# EAGLE board Mk4 Final a Panel score 2x5 (EAGLE 9.0.1), part 15 of 29 (continued)
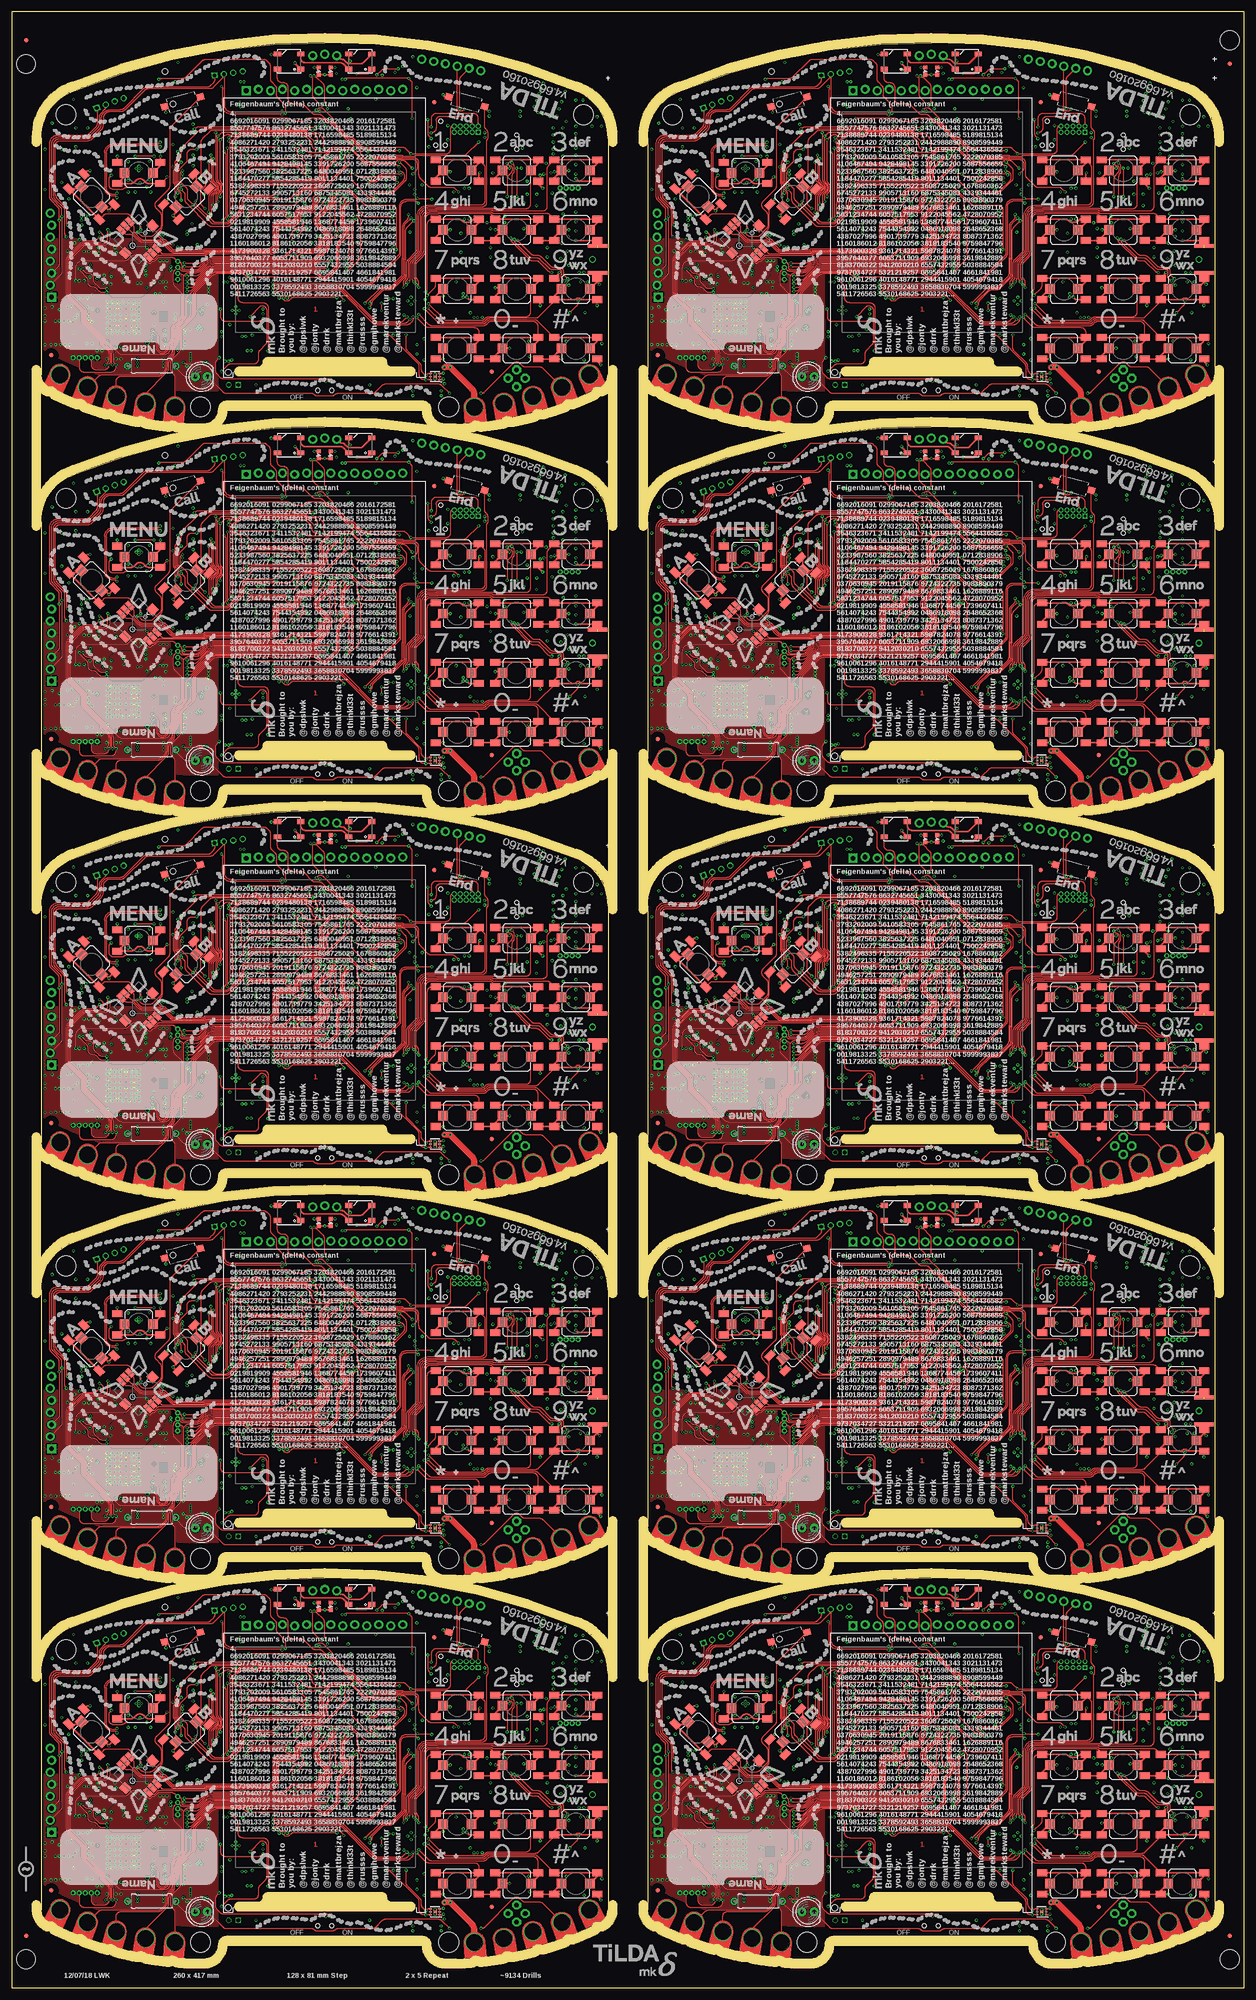
[diagram p0: board, top side]
## Tracks (layer width: path | path; a pad name or v marks a point on that pad's centre or on a via) (continued)
  pour GND@3 (isolate 0.254, rank 6): 134.2,311.5 134.2,258 arc31 166,249 168.7,249 arc90 171.5,251.8 arc-90 173.5,253.8 214.5,253.8 arc-90 216.5,251.8 arc90 219.3,249 222,249 arc31 253.8,258 253.8,281.5 247.5,281.5 247.5,311.5 253.8,311.5 arc64 247.25,319.25 arc24 194,329.5 arc24 140.75,319.25 arc55
  pour Bottom (rank 6): 201.25,285.9 201.25,287.25 201,287.5 191,287.5 190.75,287.25 190.75,285.9
  pour Bottom (isolate 0.254, rank 6): 134.2,311.5 134.2,265 arc9 145,260 145,272 147,272 147,278 145,278 145,280 arc90 144,281 143,281 arc-90 142,282 142,302.71 arc-90 154.79,315.5 162.5,315.5 166,319 224.5,318.5 arc-90 227,316 227,281.5 238.09,281.5 arc-45 238.79,281.21 241.21,278.79 arc45 241.91,278.5 253.8,278.5 253.8,281.5 247.5,281.5 247.5,311.5 253.8,311.5 arc64 247.25,319.25 arc24 194,329.5 arc24 140.75,319.25 arc55
  pour Bottom (rank 2, no thermals): 235.5,282 237,282 237,279.5 236.41,279.5 arc45 235.71,279.21 235.29,278.79 arc45 235,278.09 235,276 arc-90 234,275 223.5,275 arc-90 222.5,276 arc-90 223.5,277 231.75,277 arc90 232.75,278 232.75,278.09 arc-45 233.04,278.79 233.71,279.46 arc-45 234.41,279.75 234.59,279.75 arc45 235.29,280.04 235.5,280.25
  pour Bottom (no thermals): 185.5,288.5 185.5,287.2 185.3,287 185.2,287 185,287.2 185,288.25 184.5,288.75 184.5,290.3 184.7,290.5 185.05,290.5 185.25,290.3 185.25,288.75
  pour Bottom: 157.55,297.95 157.55,303.95 arc90 156.55,304.95 153.05,304.95 arc90 152.05,303.95 152.05,297.95 arc90 153.05,296.95 156.55,296.95 arc90
  pour Bottom (no thermals): 171.4,276 171.4,277.1 171.2,277.3 171.2,278.05 171,278.25 169.75,278.25 169.25,277.75 169.25,276.25 169.5,276
  pour Bottom (no thermals): 165.9,263.8 165.9,261.3 arc-90 165.4,260.8 164.45,260.8 arc-90 163.95,261.3 163.95,268.65 arc-90 164.45,269.15 165.55,269.15 arc-90 166.05,268.65 166.05,265.1 arc90 166.55,264.6 167.8,264.6 167.85,264.55 167.85,263.9 167.75,263.8
  pour Top (rank 6): 134.2,288 134.2,265 arc34 171,256 171.5,256 171.5,288
GND8  (via drill 0.3)  (1 unrouted)
  Top 0.15: IC160.3 90.3,340.65 90.25,340.6 IC160.2 | v89.3,339.5 IC160.PAD v89.3,340.5
  Top 0.2: 90.3,340.65 90.95,340.65 v91.05,340.75
  Top 0.3: S175.1 101.95,356.95 S175.A1 | S171.A1 89.45,356.95 S171.1 v91,357 | S172.A1 89.45,344 89.7,343.75 v91,343.75 S172.1 | S180.1 114.45,344.45 S180.A1 | S179.1 123.55,360.05 S179.A1 | 114.45,381.5 114.45,381.95 S177.1 v117.5,383.5 | 114.45,381.5 S177.A1 | S173.A1 101.95,381.95 S173.1 104,384 v105,384 | S169.A1 89.45,381.95 S169.1 92.25,383.5 v92.5,383.25 | S170.A1 89.45,369.45 S170.1 v92.5,371 | 101.95,369 101.95,369.45 S174.1 v102.05,371 | 101.95,369 S174.A1 | S169.A2 98.55,382.8 v98.75,383 | 114.2,381.25 114.45,381.5 | S178.A2 v119,368.75 | v117.5,371 S178.1 114.45,369.45 S178.A1 S174.A2 | 98.5,356.3 S171.A2 96.5,356.25 v96,356.75 | S175.1 103,359 | S180.A2 123.5,343.75 123.5,343.25 v124.25,342.5 | S176.A2 S180.A1 | v105,346 S176.1 101.95,344.45 S176.A1 S172.A2 | S170.A2 101.7,368.75 101.95,369 | S185.1 91.49,399.01 v91,399.5 | LED51.C v66.03,403.75 LED52.C | LED49.3 55.95,408 v54.75,408 | S177.A2 119.91,381.25 arc-45 119.21,381.54 v119,381.75 | 21.61,376.39 S182.A1 20.5,375.26 v20.5,375 19.62,375.88 S182.1 | S182.A2 15.57,383.21 arc-45 16.28,383.5 v16.5,383.5 | S180.A1 v116,343.75 | S173.A2 111.05,380.7 v112,379.75 | S175.1 103.25,358.75 v102,358.75 | S175.A2 111.5,355.8 v111.5,355 | S183.A2 v22.25,386.5 | S183.1 31.35,384.55 S183.A1 v31.35,386.5 | S184.1 32.5,396.72 v32.5,395.75 | S181.A1 34.81,373.19 v34,374 34.68,374.68 S181.1 | v40.5,378.5 41.61,379.61 S181.A2 | LED50.3 71.05,407.36 arc45 71.34,406.66 v71.4,406.6 | S179.A2 115.5,361.8 v115.5,362 | S179.A1 123.55,359.95 v124,359.5 | S179.A1 123.53,360.76 J89.G@4
  Top 0.4: S178.A2 123.53,368.74 J89.G@3
  GND@3 0.4: v28.45,358.85 25.8,356.2 v25.8,355.85 | v23.5,361.5 22.75,360.75 22.75,356.6 v23.5,355.85 | v21,361.1 21.75,360.35 21.75,356.4 v22.3,355.85
  Bottom 0.15: J81.32 62.75,368.25 | J81.31 63.25,368 | J81.30 63.75,368 | J81.29 64.25,368 | J81.28 64.75,368 | J81.27 65.25,368 | J81.26 65.75,368 | J81.25 66.25,368 | J81.24 66.75,368 | J81.23 67.25,368 | J81.22 67.75,368 | J81.21 68.25,368 | J81.20 68.75,368 | J81.19 69.25,368 | J81.18 69.75,368 | J81.17 70.25,368 | J81.16 70.75,368 | J81.15 71.25,368 | J81.14 71.75,368 | J81.13 72.25,368 | J81.12 72.75,368 | J81.11 73.25,368 | IC146.58 v59.6,386.8 | IC146.55 v59.6,385.6 | IC149.3 81.05,404 v80.85,404.2 | ANT18.3 112.79,401.9 v112.15,401.9 | v111.7,400.75 111.8,400.65 111.94,400.65 111.84,400.75 v111.7,400.75 | ANT18.2 112.05,400.4 v111.7,400.75 | ANT18.4 116.28,400.2 v116.75,400.2 | IC155.PAD v24.1,353.1 | IC155.PAD v22.9,353.1 | IC155.PAD v22.9,351.9 | IC155.PAD v24.1,351.9 | v22.9,354.3 23.5,354.9 v23.5,355.85 | v22.3,355.85 22.3,354.9 v21.7,354.3 21.75,354.35 | v25.3,354.3 25.3,355.35 v25.8,355.85 | v81.5,348.75 C966.2 82,349.5 arc90 82.5,350 82.5,350.5 arc90 82,351 IC158.2 81.46,351 arc45 81.1,350.85 80.9,350.65 arc-45 80.54,350.5 IC158.4 | C968.2 90.45,340.5 | v107.25,396 C917.2 | C920.2 v107.25,395 | C918.2 v100.75,396 | C916.2 v100.75,395 | v24.55,385.4 24.25,385.7 R701.2
  Bottom 0.2: C879.1 68.6,373.85 IC146.10 | IC146.17 65.8,374.01 arc-45 65.65,373.65 C878.1 v65.5,372.75 | IC146.48 57.46,382.8 arc-45 C876.1 | IC146.114 74.74,382.4 arc45 75.44,382.69 C875.1 | IC146.80 65.8,392.05 65.97,392.23 | X36.4 13.88,351.43 13.7,351.6 v12.9,351.6 | X36.2 15.73,347.07 v15.8,347 | IC157.23 81.8,356.75 arc-45 81.66,356.81 81.25,357.22 arc-90 81.25,357.25 | 81.25,357.25 v81.25,357.5 | IC157.24 81.25,357.25 | IC157.18 83,353.25 v82.75,353 | IC157.9 v87.25,356.25 | IC150.17 46.5,351.5 v46,351 IC150.18 | J84.GND4 117,346.05 | 90.45,340.5 arc45 v91.05,340.75 | v31.3,387.5 C970.2 | IC152.4 87.97,387.73 C935.1
  Bottom 0.25: J81.50 53.75,367.45 v54.25,367.95 | J81.49 v54.25,367.95 | J81.48 54.75,367.45 v54.25,367.95 | J81.43 57.25,368 | J81.6 v75.75,365.5 | v68,370.75 68,371.62 C880.1 68.25,372.12 C879.1 | v56,383.1 C876.1 | v76.25,382.75 C875.1 | v66,393 C877.1 65.97,392.23 | C874.1 C882.1 v67,394.45 | v55,387.25 R633.2 | C881.1 65.05,394.25 v65.65,393.65 | v75.5,338.25 S187.1 | v51.5,338.25 S188.1 | C885.1 v62.7,393 | C884.1 v58.1,393 | v71.5,394.45 C883.1 | R695.2 v25.25,345.75 | v27.35,383.95 IC154.PAD v26.8,383.5 | C900.2 38.88,345.23 | v85.45,401 C871.1 | v68.5,404 C869.1
  Bottom 0.3: 77.45,404.3 v78.15,403.6 | v32,357 R694.2 | v14.25,360.25 C943.1 | v16.5,361 16.62,360.88 C948.2 | v96.5,373.25 C926.2 | v95.5,373.25 C923.2 | v96.5,379.75 C922.2 | C924.2 v95.5,379.75 | IC147.8 100.1,372.65 v100.25,372.5 | R668.2 v94.75,370.25 | R660.2 v94.75,364.25 | R667.2 v94.75,366.25 | IC147.13 102.1,378.65 v102.25,378.5 | IC147.21 110.9,378.65 v110.75,378.5 | Q35.2 94.65,360.15 R658.2 v93.75,360 | C935.1 v88,388.5 | v92,390 91.91,390.09 JP73.5 | C928.1 v99.75,391.5 | IC153.7 93.19,379.81 R679.1 v93.25,379 | v101.5,383 C913.1 | v105,384 104.5,383.5 C912.1 | C911.1 v107.5,384 | J84.GND3 111.21,356.06 arc-45 111.5,355.36 v111.5,355 | 123.38,358.5 J84.GND2 123.5,358.59 arc-45 123.79,359.29 v124,359.5 | 124.17,356 J84.C4 123.79,355.74 arc45 123.5,355.04 v123.5,355 | v124.5,347 124.38,347 J84.GND1 | v109.25,344.25 R683.2 110.92,344.25 Q34.2 | C914.1 v120.75,343.5 | J84.C5 116.85,347.65 v117,347.5 117,346.05 | v109,347.5 109.23,347.27 110.25,347.27 J84.GND6 | C868.1 v76.25,377 | C873.1 v79,380.25 | C872.1 v79,381.5 | Q33.4 Q33.EP2 | C894.1 v51.5,372.25 | IC145.28 37.07,372.25 v38,372.25 | C890.1 v34,384.25 | IC145.46 38.2,386.7 v38.25,386.75 | C893.1 v34,389 | IC145.54 37.89,393.1 arc45 v38.25,393.25 | IC145.52 v38.25,391.5 | C892.1 v50.75,393.75 | C888.1 v51.5,391.5 | IC145.6 47.4,389.1 v47.25,389.25 | C889.1 v51.5,386.75 | C891.1 v51.5,382.75 | R643.1 v53,353.25 | R645.2 v53,354.25 | R647.2 48.15,359.5 arc45 v48.75,359.75 | v32,370 C909.1 | v32.75,370 32.75,369.5 C909.1 | v31.25,370 31.25,369.5 C909.1 | IC145.12 47.3,384.3 v47.25,384.25 | R687.2 v15.25,366.45 | R688.2 v16.25,366.45 | R675.2 v85,378.5 | v26.05,378.95 C941.2 | v108.75,378.5 108.7,378.55 IC147.19 108.7,381.2 v108.75,381.25
  Bottom 0.3: R685.2 35.95,345.5 v36.2,345.75 | IC157.25 v83.5,356 | v66.6,396.55 66.67,396.55 X34.4 | X34.2 70.83,396.55 v70.95,396.55 | v82.5,405.5 C886.1 | v84.6,407.5 R637.2 | C870.1 v76.75,398.5 | C927.1 v83.9,380.45 | J86.8 J86.4 | J88.8 J88.4 | IC145.41 36.05,382.7 v36,382.75 | J84.GND5 117.11,358.91 v117.5,359.3 116.94,359.3 arc-45 116.23,359.59 IC151.3 | IC147.33 113.3,364.95 v113,365.25 | v117.45,369.6 C929.1 | v116.7,364.5 D18.2 | v116.7,365.5 C930.1 | v11.75,354.75 C933.1 | v8.5,354.75 C934.1 | 32.55,360.8 C951.2 31.95,360.8 | IC161.2 v90.6,337 | C971.2 v84.6,336 | IC161.3 v90.6,336 | v113,367.25 113.1,367.15 IC147.31
  Bottom 0.35: v32.55,360 32.55,360.8 | v31.95,360 31.95,360.8
  Bottom 0.4: C953.2 28.1,358.5 v28.45,358.85 | v31.25,357.5 C947.2 | v32,355.75 C959.2 | C949.2 28.12,363.62 v28.25,363.5 | C949.2 v27.25,364.75 | v26,364.75 C950.2 C949.2 | C954.2 22.9,360.9 v23.5,361.5 23.4,361.4 | C952.2 v21,361.1 | v19.5,361.4 20.1,360.8 C946.2 | v34.5,352.25 C964.1 | v34.5,353.25 C965.1 | v32.25,348.75 C960.2 | C956.2 v30,351 | C942.1 v21.75,367.25 | C962.1 v16.95,351.5 | C958.2 v16.25,352.25 | C944.2 v16.25,353.25 | C963.1 v16.95,347 | R686.2 v18,345.5 | R689.2 v19,345.5 | R696.2 v20,343.75 | C961.2 v23,343.75 | C955.2 v22,343.75 | v32.5,358.75 C957.2 31.4,359.64 arc45 v31.25,360 | IC156.4 15.12,372.15 arc45 v14.75,372 | v32.25,346.75 R653.2 | v79.5,356.5 C887.1 | v44.25,348.5 44.85,348.5 C907.2 44.85,349.5 v44.25,349.5 | S186.2 65.4,339 v66.25,339 | Q33.EP2 80.4,367.35 v80.5,367.25 | v80.5,371.25 IC148.4 | 42.75,358.75 C908.2 42.38,358.25 v41.5,358.25 | 42.62,359 v41.5,359 | C904.2 41.6,357.4 v41.5,357.5 | v41.25,355.25 41.25,354.32 C905.1 | 7,351.6 v7,351.75 ANT17.4 | ANT17.3 v7,346.75 | ANT17.2 8.25,347.7 v8.25,346.75 | C910.1 v32,343 | C910.1 31.5,343.75 v32,343.75 | C910.1 31.5,342.25 v32,342.25 | J87.4 34.94,401.81 v34.5,402.25 | C867.2 59.88,404.62 v59.75,404.75 | IC162.3 93.26,338.15 arc-45 92.56,338.44 C972.2 91.68,338.68 arc-45 v91.25,338.5 | TP169.TP 37.75,350.1 v37.6,349.95
  Bottom 0.5: v18.35,366.05 18.35,365.5 C945.2 17.35,365.5 v17.35,366.05
  Bottom 1: J82.1 87.05,344.8 C902.2 | C902.2 85.6,344.85 v85.5,344.75 | C902.2 v87,343.5 | v52.35,350 C903.2 50.65,348.85 v50.75,348.75
  other vias: 63.25,368.25 72.75,368.25 56.9,371.15 26.8,384.4 26.25,383.95 116.7,378.1 116.35,374.35 116,398 115.5,396.5 115,395 113.5,395 112,395.5 111,395.75 110.25,397 110.75,398.25 111.25,399.75 21.7,353.1 21.7,351.9 21.7,350.7 22.9,350.7 24.1,350.7 25.3,350.7 25.3,351.9 25.3,353.1 24.1,354.3 17,357.25 17,354.35 13,349.2 12.25,346.75 11.25,346.75 10.25,346.75 9.25,346.75 12,351.75 11,351.75 10,351.75 9.2,351.75 85,356 84.25,356.75 84.25,355.25 95.25,357.5 95.25,356.75 120,360 119,370.75 119,372.65 119,374.75 119,376.75 119,382.75 119,384.75 119,386.75 119,391.25 119,392.85 122.4,392.85 124.4,392.85 47.25,354 48,354 47.25,354.75 47.25,353.25 46.5,354 29.3,378.95 24.55,378.95 24.55,381.45 29.05,381.55 29.05,385.45 37.7,344.85 37.7,344.35 37.7,343.35 37.7,343.85 36.9,342.25 37.6,342.25 36.6,349.95 36.5,348.95 36.5,346.75 36.5,347.55 20.75,353.1 20.75,351.9 20.75,350.7 20.75,354.3 26.25,353.1 26.25,351.9 26.25,350.7 26.25,354.3 21.7,349.75 22.9,349.75 24.1,349.75 25.3,349.75 21.7,355.25 22.9,355.25 24.1,355.25 25.3,355.25 26.25,349.75 26.25,355.25 20.75,355.25 20.75,349.75 24.7,355.85 21.2,355.85 20.15,355.85 20.15,354.8 23.5,349.15 24.7,349.15 25.9,349.15 22.3,349.15 21.2,349.15 26.85,352.45 26.85,351.25 26.85,350.05 26.85,353.65 20.15,352.5 20.15,351.3 20.15,350.2 20.15,353.7 26.85,354.75 26.85,355.85 26.85,349.15 20.15,349.15 120.7,362 119.7,362 121.5,360 116,368.2 10.5,388 10.5,381 13.5,388.5 13.5,392.5 16,392.5 13,398.5 8.5,393.5 7,388 7,379.5 12,377.5 13.25,368.25 7,354.5 104,365.25 101,365.25 101,367.25 101,371.25 108,371.25 110.7,376.1 108,376.75 114,378.75 117.5,363.5 117.25,366.5 119,388.25 119,389.75 117,393.85 119,398.35 123.5,394.85 120.5,398.35 115.85,364.95 119,363.5 12.6,354.95 13.35,352.45 13.85,352.95 16,354.7 15,356.7 16,356.7 14.1,356.6 116.25,392.5 114.25,392.5 116.25,391 114.25,391 116.25,389.5 114.25,389.5 116.25,388 114.25,388 116.25,386.5 114.25,387 112.75,385 112.25,382.75 111.5,382.5 113.75,383 114.5,383.25 116,385 11.75,366.5 10,354.15 7,352.85 104,376.25 104,372.5 104,373.9
  pour GND@3 (isolate 0.254, rank 6): 6.2,392.5 6.2,339 arc31 38,330 40.7,330 arc90 43.5,332.8 arc-90 45.5,334.8 86.5,334.8 arc-90 88.5,332.8 arc90 91.3,330 94,330 arc31 125.8,339 125.8,362.5 119.5,362.5 119.5,392.5 125.8,392.5 arc64 119.25,400.25 arc24 66,410.5 arc24 12.75,400.25 arc55
  pour Bottom (rank 6): 73.25,366.9 73.25,368.25 73,368.5 63,368.5 62.75,368.25 62.75,366.9
  pour Bottom (isolate 0.254, rank 6): 6.2,392.5 6.2,346 arc9 17,341 17,353 19,353 19,359 17,359 17,361 arc90 16,362 15,362 arc-90 14,363 14,383.71 arc-90 26.79,396.5 34.5,396.5 38,400 96.5,399.5 arc-90 99,397 99,362.5 110.09,362.5 arc-45 110.79,362.21 113.21,359.79 arc45 113.91,359.5 125.8,359.5 125.8,362.5 119.5,362.5 119.5,392.5 125.8,392.5 arc64 119.25,400.25 arc24 66,410.5 arc24 12.75,400.25 arc55
  pour Bottom (rank 2, no thermals): 107.5,363 109,363 109,360.5 108.41,360.5 arc45 107.71,360.21 107.29,359.79 arc45 107,359.09 107,357 arc-90 106,356 95.5,356 arc-90 94.5,357 arc-90 95.5,358 103.75,358 arc90 104.75,359 104.75,359.09 arc-45 105.04,359.79 105.71,360.46 arc-45 106.41,360.75 106.59,360.75 arc45 107.29,361.04 107.5,361.25
  pour Bottom (no thermals): 57.5,369.5 57.5,368.2 57.3,368 57.2,368 57,368.2 57,369.25 56.5,369.75 56.5,371.3 56.7,371.5 57.05,371.5 57.25,371.3 57.25,369.75
  pour Bottom: 29.55,378.95 29.55,384.95 arc90 28.55,385.95 25.05,385.95 arc90 24.05,384.95 24.05,378.95 arc90 25.05,377.95 28.55,377.95 arc90
  pour Bottom (no thermals): 43.4,357 43.4,358.1 43.2,358.3 43.2,359.05 43,359.25 41.75,359.25 41.25,358.75 41.25,357.25 41.5,357
  pour Bottom (no thermals): 37.9,344.8 37.9,342.3 arc-90 37.4,341.8 36.45,341.8 arc-90 35.95,342.3 35.95,349.65 arc-90 36.45,350.15 37.55,350.15 arc-90 38.05,349.65 38.05,346.1 arc90 38.55,345.6 39.8,345.6 39.85,345.55 39.85,344.9 39.75,344.8
  pour Top (rank 6): 6.2,369 6.2,346 arc34 43,337 43.5,337 43.5,369
GND9  (via drill 0.3)  (1 unrouted)
  Top 0.15: IC178.3 218.3,340.65 218.25,340.6 IC178.2 | v217.3,339.5 IC178.PAD v217.3,340.5
  Top 0.2: 218.3,340.65 218.95,340.65 v219.05,340.75
  Top 0.3: S196.1 229.95,356.95 S196.A1 | S192.A1 217.45,356.95 S192.1 v219,357 | S193.A1 217.45,344 217.7,343.75 v219,343.75 S193.1 | S201.1 242.45,344.45 S201.A1 | S200.1 251.55,360.05 S200.A1 | 242.45,381.5 242.45,381.95 S198.1 v245.5,383.5 | 242.45,381.5 S198.A1 | S194.A1 229.95,381.95 S194.1 232,384 v233,384 | S190.A1 217.45,381.95 S190.1 220.25,383.5 v220.5,383.25 | S191.A1 217.45,369.45 S191.1 v220.5,371 | 229.95,369 229.95,369.45 S195.1 v230.05,371 | 229.95,369 S195.A1 | S190.A2 226.55,382.8 v226.75,383 | 242.2,381.25 242.45,381.5 | S199.A2 v247,368.75 | v245.5,371 S199.1 242.45,369.45 S199.A1 S195.A2 | 226.5,356.3 S192.A2 224.5,356.25 v224,356.75 | S196.1 231,359 | S201.A2 251.5,343.75 251.5,343.25 v252.25,342.5 | S197.A2 S201.A1 | v233,346 S197.1 229.95,344.45 S197.A1 S193.A2 | S191.A2 229.7,368.75 229.95,369 | S206.1 219.49,399.01 v219,399.5 | LED57.C v194.03,403.75 LED58.C | LED55.3 183.95,408 v182.75,408 | S198.A2 247.91,381.25 arc-45 247.21,381.54 v247,381.75 | 149.61,376.39 S203.A1 148.5,375.26 v148.5,375 147.62,375.88 S203.1 | S203.A2 143.57,383.21 arc-45 144.28,383.5 v144.5,383.5 | S201.A1 v244,343.75 | S194.A2 239.05,380.7 v240,379.75 | S196.1 231.25,358.75 v230,358.75 | S196.A2 239.5,355.8 v239.5,355 | S204.A2 v150.25,386.5 | S204.1 159.35,384.55 S204.A1 v159.35,386.5 | S205.1 160.5,396.72 v160.5,395.75 | S202.A1 162.81,373.19 v162,374 162.68,374.68 S202.1 | v168.5,378.5 169.61,379.61 S202.A2 | LED56.3 199.05,407.36 arc45 199.34,406.66 v199.4,406.6 | S200.A2 243.5,361.8 v243.5,362 | S200.A1 251.55,359.95 v252,359.5 | S200.A1 251.53,360.76 J99.G@4
  Top 0.4: S199.A2 251.53,368.74 J99.G@3
  GND@3 0.4: v156.45,358.85 153.8,356.2 v153.8,355.85 | v151.5,361.5 150.75,360.75 150.75,356.6 v151.5,355.85 | v149,361.1 149.75,360.35 149.75,356.4 v150.3,355.85
  Bottom 0.15: J91.32 190.75,368.25 | J91.31 191.25,368 | J91.30 191.75,368 | J91.29 192.25,368 | J91.28 192.75,368 | J91.27 193.25,368 | J91.26 193.75,368 | J91.25 194.25,368 | J91.24 194.75,368 | J91.23 195.25,368 | J91.22 195.75,368 | J91.21 196.25,368 | J91.20 196.75,368 | J91.19 197.25,368 | J91.18 197.75,368 | J91.17 198.25,368 | J91.16 198.75,368 | J91.15 199.25,368 | J91.14 199.75,368 | J91.13 200.25,368 | J91.12 200.75,368 | J91.11 201.25,368 | IC164.58 v187.6,386.8 | IC164.55 v187.6,385.6 | IC167.3 209.05,404 v208.85,404.2 | ANT20.3 240.79,401.9 v240.15,401.9 | v239.7,400.75 239.8,400.65 239.94,400.65 239.84,400.75 v239.7,400.75 | ANT20.2 240.05,400.4 v239.7,400.75 | ANT20.4 244.28,400.2 v244.75,400.2 | IC173.PAD v152.1,353.1 | IC173.PAD v150.9,353.1 | IC173.PAD v150.9,351.9 | IC173.PAD v152.1,351.9 | v150.9,354.3 151.5,354.9 v151.5,355.85 | v150.3,355.85 150.3,354.9 v149.7,354.3 149.75,354.35 | v153.3,354.3 153.3,355.35 v153.8,355.85 | v209.5,348.75 C1074.2 210,349.5 arc90 210.5,350 210.5,350.5 arc90 210,351 IC176.2 209.46,351 arc45 209.1,350.85 208.9,350.65 arc-45 208.54,350.5 IC176.4 | C1076.2 218.45,340.5 | v235.25,396 C1025.2 | C1028.2 v235.25,395 | C1026.2 v228.75,396 | C1024.2 v228.75,395 | v152.55,385.4 152.25,385.7 R779.2
  Bottom 0.2: C987.1 196.6,373.85 IC164.10 | IC164.17 193.8,374.01 arc-45 193.65,373.65 C986.1 v193.5,372.75 | IC164.48 185.46,382.8 arc-45 C984.1 | IC164.114 202.74,382.4 arc45 203.44,382.69 C983.1 | IC164.80 193.8,392.05 193.97,392.23 | X40.4 141.88,351.43 141.7,351.6 v140.9,351.6 | X40.2 143.72,347.07 v143.8,347 | IC175.23 209.8,356.75 arc-45 209.66,356.81 209.25,357.22 arc-90 209.25,357.25 | 209.25,357.25 v209.25,357.5 | IC175.24 209.25,357.25 | IC175.18 211,353.25 v210.75,353 | IC175.9 v215.25,356.25 | IC168.17 174.5,351.5 v174,351 IC168.18 | J94.GND4 245,346.05 | 218.45,340.5 arc45 v219.05,340.75 | v159.3,387.5 C1078.2 | IC170.4 215.97,387.73 C1043.1
  Bottom 0.25: J91.50 181.75,367.45 v182.25,367.95 | J91.49 v182.25,367.95 | J91.48 182.75,367.45 v182.25,367.95 | J91.43 185.25,368 | J91.6 v203.75,365.5 | v196,370.75 196,371.62 C988.1 196.25,372.12 C987.1 | v184,383.1 C984.1 | v204.25,382.75 C983.1 | v194,393 C985.1 193.97,392.23 | C982.1 C990.1 v195,394.45 | v183,387.25 R711.2 | C989.1 193.05,394.25 v193.65,393.65 | v203.5,338.25 S208.1 | v179.5,338.25 S209.1 | C993.1 v190.7,393 | C992.1 v186.1,393 | v199.5,394.45 C991.1 | R773.2 v153.25,345.75 | v155.35,383.95 IC172.PAD v154.8,383.5 | C1008.2 166.88,345.23 | v213.45,401 C979.1 | v196.5,404 C977.1
  Bottom 0.3: 205.45,404.3 v206.15,403.6 | v160,357 R772.2 | v142.25,360.25 C1051.1 | v144.5,361 144.62,360.88 C1056.2 | v224.5,373.25 C1034.2 | v223.5,373.25 C1031.2 | v224.5,379.75 C1030.2 | C1032.2 v223.5,379.75 | IC165.8 228.1,372.65 v228.25,372.5 | R746.2 v222.75,370.25 | R738.2 v222.75,364.25 | R745.2 v222.75,366.25 | IC165.13 230.1,378.65 v230.25,378.5 | IC165.21 238.9,378.65 v238.75,378.5 | Q39.2 222.65,360.15 R736.2 v221.75,360 | C1043.1 v216,388.5 | v220,390 219.91,390.09 JP82.5 | C1036.1 v227.75,391.5 | IC171.7 221.19,379.81 R757.1 v221.25,379 | v229.5,383 C1021.1 | v233,384 232.5,383.5 C1020.1 | C1019.1 v235.5,384 | J94.GND3 239.21,356.06 arc-45 239.5,355.36 v239.5,355 | 251.38,358.5 J94.GND2 251.5,358.59 arc-45 251.79,359.29 v252,359.5 | 252.17,356 J94.C4 251.79,355.74 arc45 251.5,355.04 v251.5,355 | v252.5,347 252.38,347 J94.GND1 | v237.25,344.25 R761.2 238.93,344.25 Q38.2 | C1022.1 v248.75,343.5 | J94.C5 244.85,347.65 v245,347.5 245,346.05 | v237,347.5 237.23,347.27 238.25,347.27 J94.GND6 | C976.1 v204.25,377 | C981.1 v207,380.25 | C980.1 v207,381.5 | Q37.4 Q37.EP2 | C1002.1 v179.5,372.25 | IC163.28 165.07,372.25 v166,372.25 | C998.1 v162,384.25 | IC163.46 166.2,386.7 v166.25,386.75 | C1001.1 v162,389 | IC163.54 165.89,393.1 arc45 v166.25,393.25 | IC163.52 v166.25,391.5 | C1000.1 v178.75,393.75 | C996.1 v179.5,391.5 | IC163.6 175.4,389.1 v175.25,389.25 | C997.1 v179.5,386.75 | C999.1 v179.5,382.75 | R721.1 v181,353.25 | R723.2 v181,354.25 | R725.2 176.15,359.5 arc45 v176.75,359.75 | v160,370 C1017.1 | v160.75,370 160.75,369.5 C1017.1 | v159.25,370 159.25,369.5 C1017.1 | IC163.12 175.3,384.3 v175.25,384.25 | R765.2 v143.25,366.45 | R766.2 v144.25,366.45
  Bottom 0.3: R753.2 v213,378.5 | v154.05,378.95 C1049.2 | v236.75,378.5 236.7,378.55 IC165.19 236.7,381.2 v236.75,381.25 | R763.2 163.95,345.5 v164.2,345.75 | IC175.25 v211.5,356 | v194.6,396.55 194.68,396.55 X38.4 | X38.2 198.82,396.55 v198.95,396.55 | v210.5,405.5 C994.1 | v212.6,407.5 R715.2 | C978.1 v204.75,398.5 | C1035.1 v211.9,380.45 | J96.8 J96.4 | J98.8 J98.4 | IC163.41 164.05,382.7 v164,382.75 | J94.GND5 245.11,358.91 v245.5,359.3 244.94,359.3 arc-45 244.23,359.59 IC169.3 | IC165.33 241.3,364.95 v241,365.25 | v245.45,369.6 C1037.1 | v244.7,364.5 D20.2 | v244.7,365.5 C1038.1 | v139.75,354.75 C1041.1 | v136.5,354.75 C1042.1 | 160.55,360.8 C1059.2 159.95,360.8 | IC179.2 v218.6,337 | C1079.2 v212.6,336 | IC179.3 v218.6,336 | v241,367.25 241.1,367.15 IC165.31
  Bottom 0.35: v160.55,360 160.55,360.8 | v159.95,360 159.95,360.8
  Bottom 0.4: C1061.2 156.1,358.5 v156.45,358.85 | v159.25,357.5 C1055.2 | v160,355.75 C1067.2 | C1057.2 156.12,363.62 v156.25,363.5 | C1057.2 v155.25,364.75 | v154,364.75 C1058.2 C1057.2 | C1062.2 150.9,360.9 v151.5,361.5 151.4,361.4 | C1060.2 v149,361.1 | v147.5,361.4 148.1,360.8 C1054.2 | v162.5,352.25 C1072.1 | v162.5,353.25 C1073.1 | v160.25,348.75 C1068.2 | C1064.2 v158,351 | C1050.1 v149.75,367.25 | C1070.1 v144.95,351.5 | C1066.2 v144.25,352.25 | C1052.2 v144.25,353.25 | C1071.1 v144.95,347 | R764.2 v146,345.5 | R767.2 v147,345.5 | R774.2 v148,343.75 | C1069.2 v151,343.75 | C1063.2 v150,343.75 | v160.5,358.75 C1065.2 159.4,359.64 arc45 v159.25,360 | IC174.4 143.12,372.15 arc45 v142.75,372 | v160.25,346.75 R731.2 | v207.5,356.5 C995.1 | v172.25,348.5 172.85,348.5 C1015.2 172.85,349.5 v172.25,349.5 | S207.2 193.4,339 v194.25,339 | Q37.EP2 208.4,367.35 v208.5,367.25 | v208.5,371.25 IC166.4 | 170.75,358.75 C1016.2 170.38,358.25 v169.5,358.25 | 170.62,359 v169.5,359 | C1012.2 169.6,357.4 v169.5,357.5 | v169.25,355.25 169.25,354.32 C1013.1 | 135,351.6 v135,351.75 ANT19.4 | ANT19.3 v135,346.75 | ANT19.2 136.25,347.7 v136.25,346.75 | C1018.1 v160,343 | C1018.1 159.5,343.75 v160,343.75 | C1018.1 159.5,342.25 v160,342.25 | J97.4 162.94,401.81 v162.5,402.25 | C975.2 187.88,404.62 v187.75,404.75 | IC180.3 221.26,338.15 arc-45 220.56,338.44 C1080.2 219.68,338.68 arc-45 v219.25,338.5 | TP188.TP 165.75,350.1 v165.6,349.95
  Bottom 0.5: v146.35,366.05 146.35,365.5 C1053.2 145.35,365.5 v145.35,366.05
  Bottom 1: J92.1 215.05,344.8 C1010.2 | C1010.2 213.6,344.85 v213.5,344.75 | C1010.2 v215,343.5 | v180.35,350 C1011.2 178.65,348.85 v178.75,348.75